# Allegro board FEE5_10_30.brd (continued)
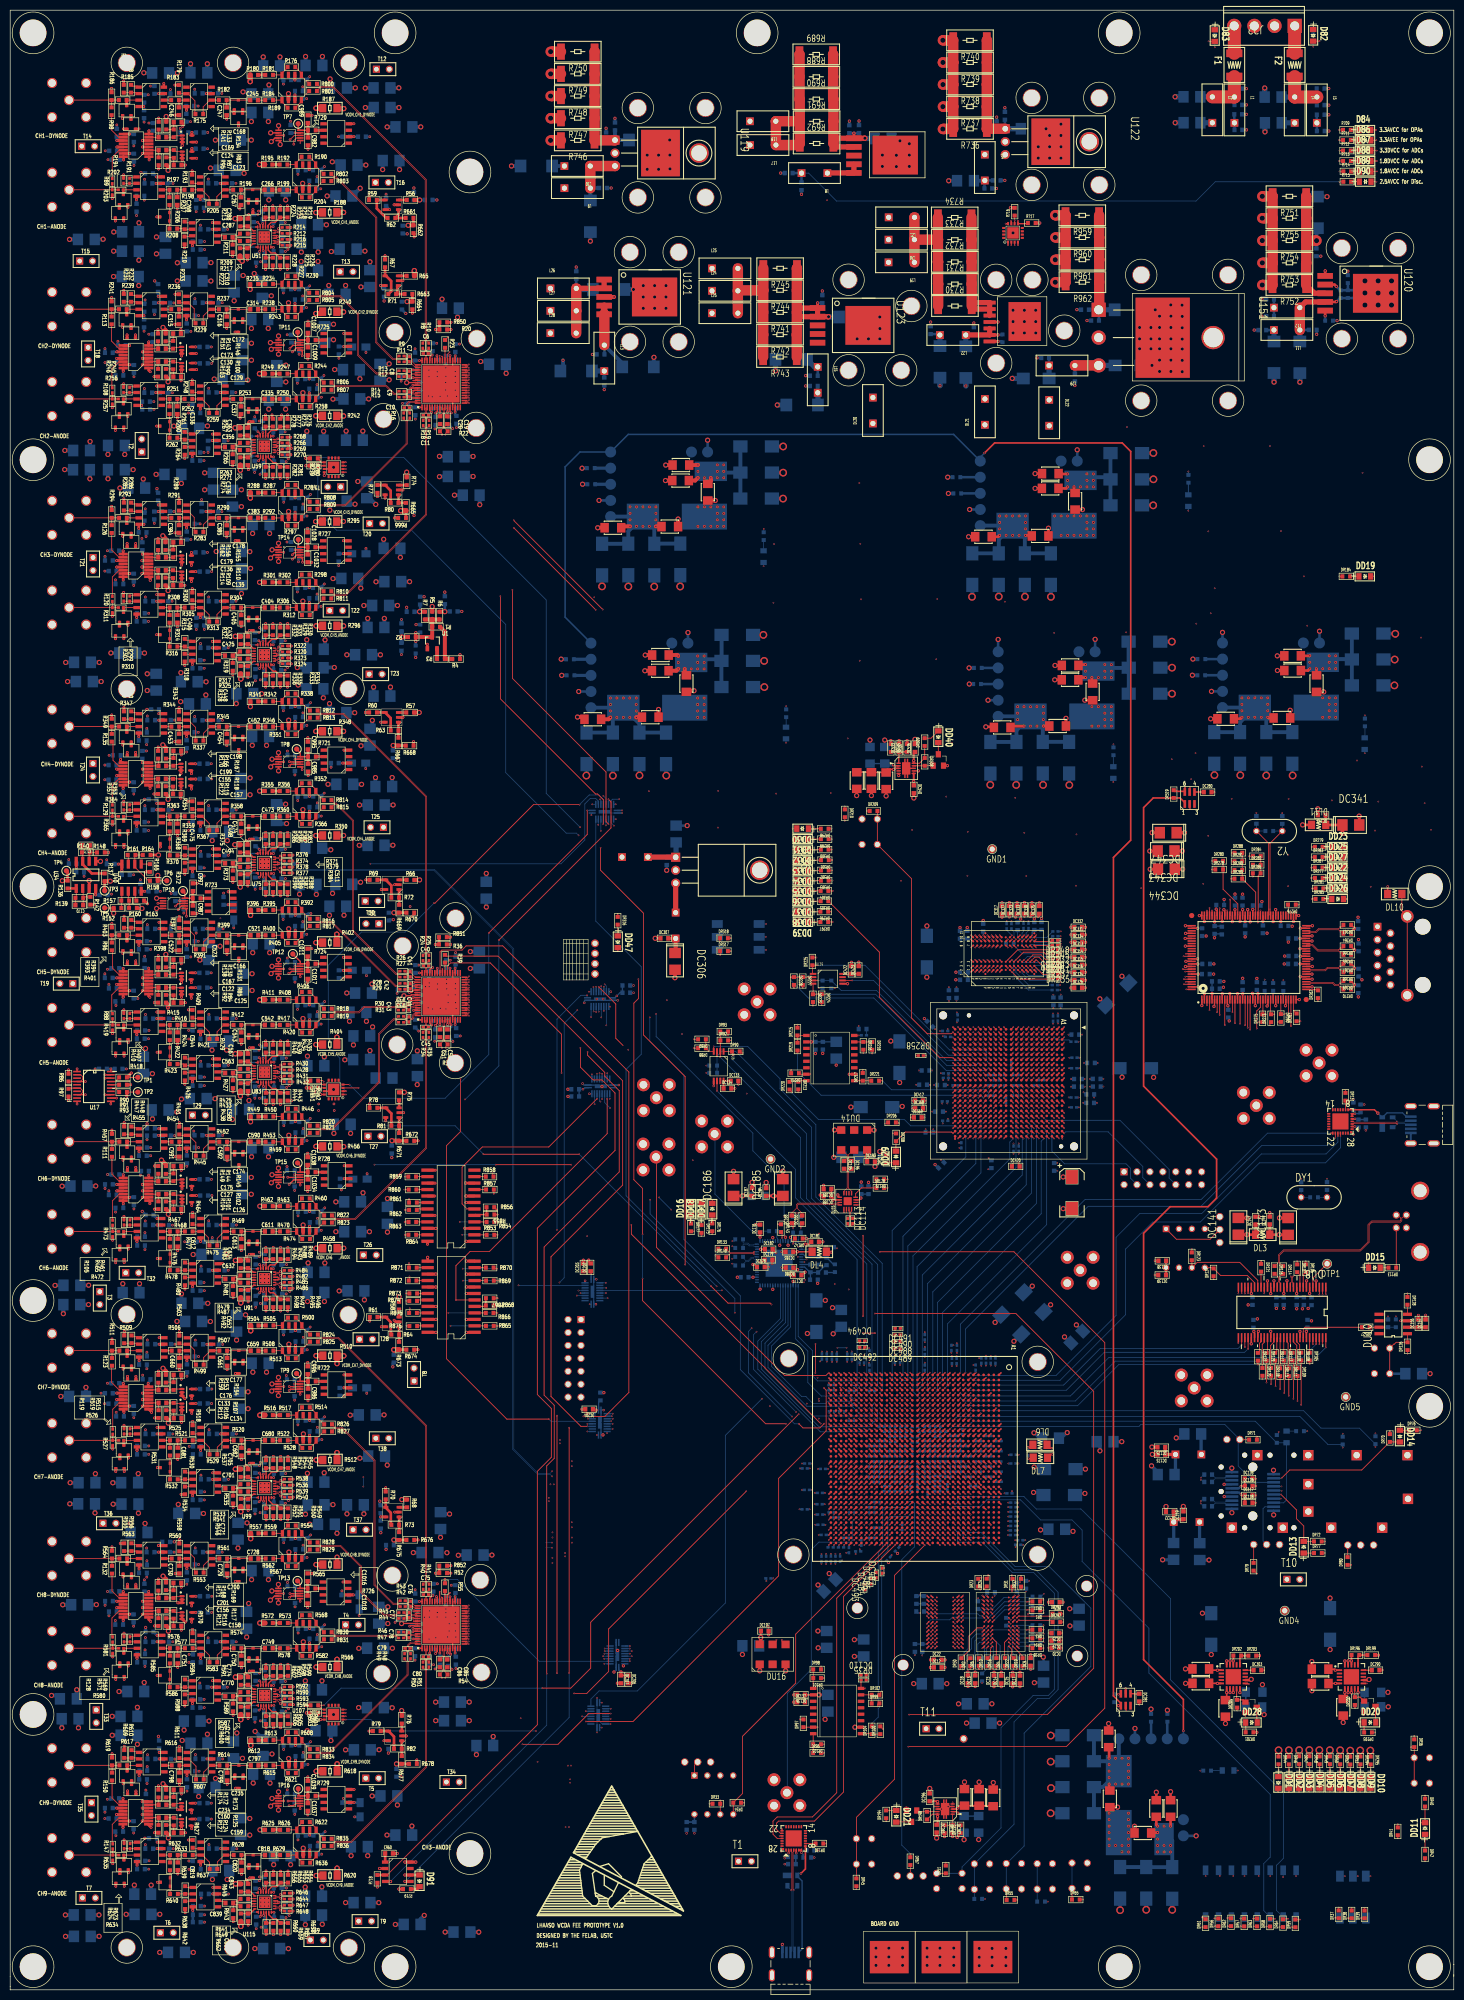
[diagram p0: board, top side]
## Placement (name value [footprint] x y rotation side) (continued)
R484  400  [SR0402]  54.36 141.27 0 top
R485  400  [SR0402]  54.35 138.93 180 top
R486  400  [SR0402]  54.35 137.77 0 top
R487  0  [SR0603]  45.98 138.85 180 top
R488  5k  [SR0603]  53.11 144.26 90 top
R489  1k  [SR0603]  54.55 144.26 270 top
R490  10k  [SR0603]  46.74 140.91 270 bottom
R491  10k  [SR0603]  46.75 137.97 90 bottom
R492  0  [SR0603]  45.3 136.67 270 top
R493  1k  [SR0603]  51.67 144.26 90 top
R494  5k  [SR0603]  50.23 144.25 270 top
R495  5k  [SR0603]  53.11 134.82 270 top
R496  1k  [SR0603]  54.53 134.81 90 top
R497  1k  [SR0603]  51.68 134.82 270 top
R498  5k  [SR0603]  50.25 134.82 90 top
R499  5k  [SR0603]  37.25 122.76 0 top
R500  1.2k  [SR0603]  55.34 131.98 0 top
R501  100  [SR0603]  22.4 127.73 270 top
R502  500  [SR0603]  23.83 127.74 90 top
R503  1k  [SR0603]  33.24 127.7 270 top
R504  0  [SR0603]  48.01 130.45 0 top
R505  560  [SR0603]  50.97 130.45 0 top
R506  400  [SR0603]  32.48 125.5 0 top
R507  400  [SR0603]  41.85 125.5 0 top
R508  560  [SR0603]  50.95 125.5 0 top
R509  500  [SR0603]  22.22 125.51 0 top
R510  0  [SR1206]  62.81 124.52 180 top
R511  50  [SR0603]  20.01 126.28 90 top
R512  0  [SR1206]  62.81 104.03 180 top
R513  1.2k  [SR0603]  55.34 124 0 top
R514  1.6k  [SR0603]  58.09 114.37 0 top
R515  500  [SR0402]  23.54 109.66 90 top
R516  0  [SR0603]  50.83 112.85 0 top
R517  560  [SR0603]  53.79 112.85 0 top
R518  50  [SR0603]  35.84 110.09 270 top
R519  100  [SR0402]  22.36 109.66 270 top
R520  400  [SR0603]  44.66 107.89 0 top
R521  1k  [SR0603]  35.1 107.89 0 top
R522  560  [SR0603]  53.78 107.89 0 top
R523  100  [SR0402]  169.34 93.73 0 bottom
R524  100  [SR0402]  169.31 94.75 0 bottom
R525  400  [SR0603]  32.15 107.89 0 top
R526  500  [SR0402]  21.82 107.89 0 top
R527  50  [SR0402]  20.14 107.39 270 top
R528  1.6k  [SR0603]  58.15 106.4 0 top
R529  5k  [SR0603]  39.93 105.14 0 top
R530  400  [SR0603]  34.36 101 270 top
R531  100  [SR0603]  31.38 105.68 270 top
R532  100  [SR0603]  32.15 100.24 0 top
R533  0  [SR0603]  45.99 99.28 180 top
R534  50  [SR0603]  34.35 98.06 270 top
R535  50  [SR0603]  43.8 96.26 90 top
R536  400  [SR0402]  54.38 99.1 180 top
R537  0  [SR0603]  45.27 101.48 90 top
R538  400  [SR0402]  54.37 100.28 0 top
R539  400  [SR0402]  54.38 97.91 180 top
R540  400  [SR0402]  54.38 96.74 0 top
R541  0  [SR0603]  45.99 97.85 180 top
R542  10k  [SR0603]  46.73 99.88 270 bottom
R543  10k  [SR0603]  46.69 96.95 90 bottom
R544  5k  [SR0603]  53.13 103.23 90 top
R545  1k  [SR0603]  54.56 103.23 270 top
R546  0  [SR0603]  45.3 95.67 270 top
R547  1k  [SR0603]  51.68 103.23 90 top
R548  5k  [SR0603]  50.25 103.23 270 top
R549  5k  [SR0603]  53.12 93.8 270 top
R550  1k  [SR0603]  54.54 93.79 90 top
R551  1k  [SR0603]  51.7 93.8 270 top
R552  5k  [SR0603]  50.26 93.79 90 top
R553  5k  [SR0603]  37.24 81.94 0 top
R554  1.2k  [SR0603]  55.33 91.16 0 top
R555  100  [SR0603]  22.39 86.91 270 top
R556  500  [SR0603]  23.83 86.92 90 top
R557  0  [SR0603]  48 89.63 0 top
R558  1k  [SR0603]  33.23 86.88 270 top
R559  560  [SR0603]  50.96 89.63 0 top
R560  400  [SR0603]  32.48 84.68 0 top
R561  400  [SR0603]  41.85 84.68 0 top
R562  560  [SR0603]  50.94 84.68 0 top
R563  500  [SR0603]  22.21 84.69 0 top
R564  50  [SR0603]  20 85.46 90 top
R565  0  [SR1206]  62.81 83.51 180 top
R566  0  [SR1206]  62.82 63.38 180 top
R567  1.2k  [SR0603]  55.33 83.18 0 top
R568  1.6k  [SR0603]  58.08 73.55 0 top
R569  500  [SR0402]  23.53 68.84 90 top
R570  50  [SR0603]  35.83 69.27 270 top
R571  100  [SR0402]  22.36 68.84 270 top
R572  0  [SR0603]  50.82 72.03 0 top
R573  560  [SR0603]  53.78 72.03 0 top
R574  400  [SR0603]  44.65 67.07 0 top
R575  100  [SR0402]  170.34 95.76 0 bottom
R576  400  [SR0603]  32.14 67.07 0 top
R577  1k  [SR0603]  35.09 67.07 0 top
R578  560  [SR0603]  53.77 67.07 0 top
R579  100  [SR0402]  169.31 88.75 0 bottom
R580  500  [SR0402]  21.81 67.07 0 top
R581  50  [SR0402]  20.13 66.57 270 top
R582  1.6k  [SR0603]  58.14 65.58 0 top
R583  5k  [SR0603]  39.92 64.32 0 top
R584  400  [SR0603]  34.32 60.19 270 top
R585  100  [SR0603]  31.37 64.86 270 top
R586  100  [SR0603]  32.11 59.43 0 top
R587  0  [SR0603]  45.98 58.46 180 top
R588  50  [SR0603]  34.31 57.25 270 top
R589  50  [SR0603]  43.79 55.44 90 top
R590  400  [SR0402]  54.38 58.32 180 top
R591  0  [SR0603]  45.29 60.65 90 top
R592  400  [SR0402]  54.38 59.48 0 top
R593  400  [SR0402]  54.4 57.15 180 top
R594  400  [SR0402]  54.41 55.99 0 top
R595  0  [SR0603]  45.99 57.03 180 top
R596  10k  [SR0603]  46.75 59.08 270 bottom
R597  10k  [SR0603]  46.66 56.13 90 bottom
R598  5k  [SR0603]  53.12 62.41 90 top
R599  1k  [SR0603]  54.56 62.41 270 top
R600  0  [SR0603]  45.29 54.83 270 top
R601  1k  [SR0603]  51.68 62.41 90 top
R602  5k  [SR0603]  50.24 62.41 270 top
R603  5k  [SR0603]  53.12 52.98 270 top
R604  1k  [SR0603]  54.53 52.97 90 top
R605  1k  [SR0603]  51.69 52.98 270 top
R606  5k  [SR0603]  50.26 52.97 90 top
R607  5k  [SR0603]  37.26 41.33 0 top
R608  1.2k  [SR0603]  55.35 50.55 0 top
R609  100  [SR0603]  22.41 46.3 270 top
R610  500  [SR0603]  23.84 46.3 90 top
R611  1k  [SR0603]  33.25 46.26 270 top
R612  0  [SR0603]  48.02 49.02 0 top
R613  560  [SR0603]  50.98 49.02 0 top
R614  400  [SR0603]  41.86 44.06 0 top
R615  560  [SR0603]  50.96 44.06 0 top
R616  400  [SR0603]  32.49 44.07 0 top
R617  500  [SR0603]  22.23 44.08 0 top
R618  0  [SR1206]  62.83 42.92 180 top
R619  50  [SR0603]  20.02 44.84 90 top
R620  0  [SR1206]  62.83 22.44 180 top
R621  1.2k  [SR0603]  55.35 42.57 0 top
R622  1.6k  [SR0603]  58.1 32.94 0 top
R623  500  [SR0402]  23.55 28.22 90 top
R624  100  [SR0402]  22.37 28.23 270 top
R625  0  [SR0603]  50.84 31.42 0 top
R626  560  [SR0603]  53.8 31.42 0 top
R627  50  [SR0603]  35.85 28.66 270 top
R628  400  [SR0603]  44.67 26.46 0 top
R629  560  [SR0603]  53.79 26.46 0 top
R630  100  [SR0402]  170.35 90.74 0 bottom
R631  100  [SR0402]  167.2 87.8 90 bottom
R632  400  [SR0603]  32.16 26.46 0 top
R633  1k  [SR0603]  35.11 26.46 0 top
R634  500  [SR0402]  21.83 26.46 0 top
R635  50  [SR0402]  20.15 25.96 270 top
R636  1.6k  [SR0603]  58.16 24.97 0 top
R637  5k  [SR0603]  39.94 23.71 0 top
R638  400  [SR0603]  34.38 19.59 270 top
R639  100  [SR0603]  31.39 24.24 270 top
R640  100  [SR0603]  32.18 18.83 0 top
R641  0  [SR0603]  46 17.84 180 top
R642  50  [SR0603]  34.37 16.64 270 top
R643  50  [SR0603]  43.82 14.87 90 top
R644  400  [SR0402]  54.37 17.83 180 top
R645  0  [SR0603]  45.32 20.04 90 top
R646  400  [SR0402]  54.38 18.99 0 top
R647  400  [SR0402]  54.36 16.62 180 top
R648  400  [SR0402]  54.36 15.46 0 top
R649  0  [SR0603]  46 16.42 180 top
R650  10k  [SR0603]  46.74 18.26 270 bottom
R651  10k  [SR0603]  46.75 15.32 90 bottom
R652  0  [SR0603]  45.32 14.22 270 top
R653  5k  [SR0603]  53.14 21.8 90 top
R654  1k  [SR0603]  54.57 21.8 270 top
R655  1k  [SR0603]  51.69 21.8 90 top
R656  5k  [SR0603]  50.26 21.8 270 top
R657  5k  [SR0603]  53.13 12.37 270 top
R658  1k  [SR0603]  54.55 12.35 90 top
R659  1k  [SR0603]  51.71 12.37 270 top
R660  5k  [SR0603]  50.27 12.36 90 top
R661  1k  [SR0603]  78.45 347.92 0 top
R662  1k  [SR0603]  79.22 345.72 270 top
R663  1k  [SR0603]  78.24 332.98 0 top
R664  1k  [SR0603]  79.01 330.75 270 top
R665  1k  [SR0603]  77.75 291.22 270 top
R666  1k  [SR0603]  76.98 289.03 180 top
R667  1k  [SR0603]  76.27 245.09 270 top
R668  1k  [SR0603]  78.47 244.32 0 top
R669  1k  [SR0603]  76.42 212.27 270 top
R670  1k  [SR0603]  78.61 211.51 0 top
R671  1k  [SR0603]  76.41 167.48 270 top
R672  1k  [SR0603]  78.6 166.71 0 top
R673  1k  [SR0603]  76.39 126.46 270 top
R674  1k  [SR0603]  78.59 125.7 0 top
R675  1k  [SR0603]  76.41 89.11 270 top
R676  1k  [SR0603]  78.61 88.34 0 top
R677  1k  [SR0603]  76.93 45.14 270 top
R678  1k  [SR0603]  79.12 44.37 0 top
R688  1.37ohm, 1W  [SR2512]  158.36 375.65 180 top
R689  1.37ohm, 1W  [SR2512]  158.34 380.05 180 top
R690  1.37ohm, 1W  [SR2512]  158.36 371.28 180 top
R691  1.37ohm, 1W  [SR2512]  158.41 366.91 180 top
R692  1.37ohm, 1W  [SR2512]  158.41 362.55 180 top
R693  4.3K  [SR0603]  259.07 327.76 0 bottom
R694  2.37K  [SR0603]  262.77 335.91 90 bottom
R695  10k  [SR0603]  262.77 332.97 90 bottom
R696  2.67K->1.0254k  [SR0603]  261.36 332.96 90 bottom
R707  2K  [SR0603]  255.97 383.23 90 bottom
R708  2K  [SR0603]  236.64 383.22 90 bottom
R709  800  [SR0603]  262.59 365.22 0 top
R711  1k  [SR0603]  262.59 363.21 0 top
R712  800  [SR0603]  262.59 361.15 0 top
R713  500  [SR0603]  262.6 359.12 0 top
R714  500  [SR0603]  262.65 357.06 0 top
R715  500  [SR0603]  262.64 355.04 0 top
R716  10k  [SR0603]  197.32 349.15 90 top
R717  10k  [SR0603]  200.67 346.93 0 top
R718  10k  [SR0603]  72.14 21.78 90 top
R719  10k  [SR0603]  77.94 19.78 180 top
R720  0  [SR0603]  59.25 365.14 0 top
R721  0  [SR0603]  59.28 242.15 0 top
R722  0  [SR0603]  59.25 119.47 0 top
R723  0  [SR0603]  36.63 214.34 0 top
R724  0  [SR0603]  59.22 201.47 0 top
R725  0  [SR0603]  59.25 323.95 0 top
R726  0  [SR0603]  59.18 78.82 0 top
R727  0  [SR0603]  59.19 283.27 0 top
R728  0  [SR0603]  59.22 160.55 0 top
R729  0  [SR0603]  59.23 38.09 0 top
R730  1.37ohm, 1W  [SR2512]  185.59 330.64 180 top
R731  1.37ohm, 1W  [SR2512]  185.57 334.96 180 top
R732  1.37ohm, 1W  [SR2512]  185.56 339.31 180 top
R733  1.37ohm, 1W  [SR2512]  185.55 343.66 180 top
R734  1.37ohm, 1W  [SR2512]  185.54 348.03 180 top
R735  100k  [SR0603]  194.93 324.29 90 bottom
R736  1.37ohm, 1W  [SR2512]  188.55 365.42 0 top
R737  1.37ohm, 1W  [SR2512]  188.55 369.79 0 top
R738  1.37ohm, 1W  [SR2512]  188.56 374.14 0 top
R739  1.37ohm, 1W  [SR2512]  188.56 378.46 0 top
R740  1.37ohm, 1W  [SR2512]  188.55 382.81 0 top
R741  1.37ohm, 1W  [SR2512]  151.23 329.38 0 top
R742  1.37ohm, 1W  [SR2512]  151.23 325.01 0 top
R743  1.37ohm, 1W  [SR2512]  151.21 320.63 0 top
R744  1.37ohm, 1W  [SR2512]  151.23 333.72 0 top
R745  1.37ohm, 1W  [SR2512]  151.25 338.05 0 top
R746  1.37ohm, 1W  [SR2512]  111.49 363.16 0 top
R747  1.37ohm, 1W  [SR2512]  111.5 367.51 0 top
R748  1.37ohm, 1W  [SR2512]  111.49 371.87 0 top
R749  1.37ohm, 1W  [SR2512]  111.5 376.22 0 top
R750  1.37ohm, 1W  [SR2512]  111.5 380.59 0 top
R751  1.37ohm, 1W  [SR2512]  251.29 352.18 0 top
R752  1.37ohm, 1W  [SR2512]  251.28 334.77 0 top
R753  1.37ohm, 1W  [SR2512]  251.3 339.11 0 top
R754  1.37ohm, 1W  [SR2512]  251.29 343.48 0 top
R755  1.37ohm, 1W  [SR2512]  251.28 347.87 0 top
R800  0  [SR0603]  59.5 374.27 0 top
R801  0  [SR0603]  59.49 372.86 0 top
R802  0  [SR0603]  62.33 356.59 0 top
R803  0  [SR0603]  62.33 355.19 0 top
R804  0  [SR0603]  59.5 333.23 0 top
R805  0  [SR0603]  59.51 331.82 0 top
R806  0  [SR0603]  62.36 315.6 0 top
R807  0  [SR0603]  62.35 314.19 0 top
R808  0  [SR0603]  59.58 292.21 0 top
R809  0  [SR0603]  59.59 290.79 0 top
R810  0  [SR0603]  62.33 274.63 0 top
R811  0  [SR0603]  62.32 273.21 0 top
R812  0  [SR0603]  59.63 251.21 0 top
R813  0  [SR0603]  59.64 249.8 0 top
R814  0  [SR0603]  62.36 233.62 0 top
R815  0  [SR0603]  62.36 232.21 0 top
R816  0  [SR0603]  59.62 210.32 0 top
R817  0  [SR0603]  59.63 208.91 0 top
R818  0  [SR0603]  62.4 192.65 0 top
R819  0  [SR0603]  62.4 191.24 0 top
R820  0  [SR0603]  59.62 169.69 0 top
R821  0  [SR0603]  59.62 168.28 0 top
R822  0  [SR0603]  62.44 152.06 0 top
R823  0  [SR0603]  62.44 150.66 0 top
R824  0  [SR0603]  59.68 128.67 0 top
R825  0  [SR0603]  59.68 127.27 0 top
R826  0  [SR0603]  62.45 111.05 0 top
R827  0  [SR0603]  62.46 109.64 0 top
R828  0  [SR0603]  59.62 87.85 0 top
R829  0  [SR0603]  59.62 86.45 0 top
R830  0  [SR0603]  62.39 70.22 0 top
R831  0  [SR0603]  62.4 68.82 0 top
R833  0  [SR0603]  59.63 47.26 0 top
R834  0  [SR0603]  59.63 45.84 0 top
R835  0  [SR0603]  62.39 29.66 0 top
R836  0  [SR0603]  62.38 28.26 0 top
R850  0  [SR0603]  85.09 327.44 0 top
R851  10k  [SR0603]  85.01 206.71 0 top
R852  10k  [SR0603]  85.06 83.27 0 top
R853  50  [SR0603]  94.35 148.25 180 top
R854  50  [SR0603]  94.35 150.79 180 top
R855  0  [SR0603]  94.36 152.23 180 top
R856  0  [SR0603]  94.33 153.66 180 top
R857  50  [SR0603]  94.25 157.14 180 top
R858  50  [SR0603]  94.18 159.68 180 top
R859  50  [SR0603]  78.96 159.68 180 top
R860  50  [SR0603]  79.05 157.14 180 top
R861  50  [SR0603]  79.12 154.59 180 top
R862  50  [SR0603]  79.12 153.14 180 top
R863  50  [SR0603]  79.01 150.79 180 top
R864  50  [SR0603]  78.99 148.27 180 top
R865  50  [SR0603]  94.23 130.37 180 top
R866  50  [SR0603]  94.18 132.92 180 top
R867  0  [SR0603]  94.22 135.8 180 top
R868  0  [SR0603]  94.2 134.37 180 top
R869  50  [SR0603]  94.24 139.26 180 top
R870  50  [SR0603]  94.2 141.81 180 top
R871  50  [SR0603]  79.1 141.81 180 top
R872  50  [SR0603]  79.05 139.27 180 top
R873  50  [SR0603]  79.18 136.74 180 top
R874  50  [SR0603]  79.16 135.28 180 top
R875  50  [SR0603]  79.13 132.91 180 top
R876  50  [SR0603]  79.18 130.34 180 top
R959  1.37ohm, 1W  [SR2512]  210.61 348.45 0 top
R960  1.37ohm, 1W  [SR2512]  210.62 344.08 0 top
R961  1.37ohm, 1W  [SR2512]  210.62 339.73 0 top
R962  1.37ohm, 1W  [SR2512]  210.63 335.31 0 top
R1000  10k  [SR0603]  59.68 299.28 180 top
R1001  10k  [SR0603]  59.66 300.71 180 top
R1002  10k  [SR0603]  59.74 178.53 180 top
R1003  10k  [SR0603]  59.74 177.11 180 top
R1004  10k  [SR0603]  59.76 55.87 180 top
R1005  10k  [SR0603]  59.77 54.37 180 top
T1  CON2  [SIP-2P]  144.34 25.24 0 top
T2  CON2  [SIP-2P]  25.84 303.25 90 top
T3  CON2  [SIP-2P]  17.61 135.83 270 top
T4  CON2  [SIP-2P]  67.15 71.66 0 top
T5  CON2  [SIP-2P]  71.11 41.56 0 top
T6  CON2  [SIP-2P]  30.77 11.21 0 top
T7  CON2  [SIP-2P]  15.47 18.05 0 top
T8  CON2  [SIP-2P]  79.33 120.82 90 top
T9  CON2  [SIP-2P]  69.72 13.49 0 top
T10  CON2  [SIP-2P]  252.07 80.59 0 top
T11  CON2  [SIP-2P]  181.19 51.27 0 top
T12  CON2  [SIP-2P]  73.21 377.14 0 top
T13  CON2  [SIP-2P]  66.07 337.37 0 top
T14  CON2  [SIP-2P]  15.31 362.02 0 top
T15  CON2  [SIP-2P]  14.91 339.47 0 top
T16  CON2  [SIP-2P]  73.02 354.9 0 top
T17  CON2  [SIP-2P]  63.65 295.13 180 top
T18  CON2  [SIP-2P]  15.3 321.22 270 top
T19  CON2  [SIP-2P]  11.03 197.58 180 top
T20  CON2  [SIP-2P]  71.87 287.92 0 top
T21  CON2  [SIP-2P]  16.28 279.98 270 top
T22  CON2  [SIP-2P]  64.04 270.84 0 top
T23  CON2  [SIP-2P]  71.79 258.35 0 top
T24  CON2  [SIP-2P]  16.26 239.53 270 top
T25  CON2  [SIP-2P]  72.06 228.28 180 top
T26  CON2  [SIP-2P]  70.64 144.28 0 top
T27  CON2  [SIP-2P]  71.56 167.61 0 top
T28  CON2  [SIP-2P]  69.9 127.74 0 top
T29  CON2  [SIP-2P]  37.07 171.76 0 top
T30  CON2  [SIP-2P]  71.01 213.8 0 top
T31  CON2  [SIP-2P]  71.16 209.33 180 top
T32  CON2  [SIP-2P]  23.96 140.8 0 top
T33  CON2  [SIP-2P]  16.9 53.69 270 top
T34  CON2  [SIP-2P]  86.96 40.8 0 top
T35  CON2  [SIP-2P]  15.96 35.49 270 top
T36  CON2  [SIP-2P]  19.5 91.61 0 top
T37  CON2  [SIP-2P]  68.62 90.34 0 top
T38  CON2  [SIP-2P]  73.1 108.3 0 top
T39  CON2  [SIP-2P]  60.24 9.77 0 top
TP1  Lthd TP  [TP40-SMD]  25.07 179.17 0 top
TP2  Lthd TP  [TP40-SMD]  25.08 176.28 0 top
TP3  Lthd TP  [TP40-SMD]  18.56 215.83 0 top
TP4  Lthd TP  [TP40-SMD]  11.04 219.73 0 top
TP5  Lthd TP  [TP40-SMD]  18.56 212.44 0 top
TP6  Lthd TP  [TP40-SMD]  30.77 217.78 0 top
TP7  Lthd TP  [TP40-SMD]  56.57 366.44 0 top
TP8  Lthd TP  [TP40-SMD]  56.28 243.63 0 top
TP9  Lthd TP  [TP40-SMD]  56.26 121.03 0 top
TP10  Lthd TP  [TP40-SMD]  33.94 215.76 0 top
TP11  Lthd TP  [TP40-SMD]  56.47 325.49 0 top
TP12  Lthd TP  [TP40-SMD]  55.53 203.4 0 top
TP13  Lthd TP  [TP40-SMD]  56.45 80.29 0 top
TP14  Lthd TP  [TP40-SMD]  56.6 284.78 0 top
TP15  Lthd TP  [TP40-SMD]  56.46 162.36 0 top
TP16  Lthd TP  [TP40-SMD]  56.59 39.49 0 top
U1  ADR510  [SOT23-3]  82.9 264.49 0 top
U2  AD9222  [CP-64-3]  80.91 310.73 90 top
U3  AD9222  [CP-64-3]  80.91 190.48 90 top
U4  AD9222  [CP-64-3]  80.91 67.06 90 top
U5  AD8628_RJ5  [RJ-5]  74.86 350.56 90 top
U6  AD8628_RJ5  [RJ-5]  74.86 249.92 90 top
U7  AD8628_RJ5  [RJ-5]  74.97 131.2 90 top
U8  AD8628_RJ5  [RJ-5]  74.85 335.66 90 top
U9  AD8628_RJ5  [RJ-5]  74.97 217.06 90 top
U10  AD8628_RJ5  [RJ-5]  74.99 93.86 90 top
U11  AD8628_RJ5  [RJ-5]  74.86 294.57 90 top
U12  AD8628_RJ5  [RJ-5]  74.98 172.29 90 top
U13  AD8628_RJ5  [RJ-5]  75.5 49.91 90 top
U14  LT6554  [16_LEAD_SSOP]  300.31 27.92 90 top
U15  FSAT66  [SOT65P210X110-5N]  34.74 360.31 0 top
U16  FSAT66  [SOT65P210X110-5N]  34.6 196.12 0 top
U17  74AC244  [SOP20-26-173]  16.06 177.39 270 top
U18  LT6554  [16_LEAD_SSOP]  300.33 192.35 90 top
U19  FSAT66  [SOT65P210X110-5N]  34.7 155.31 0 top
U20  FSAT66  [SOT65P210X110-5N]  34.63 318.79 0 top
U21  FSAT66  [SOT65P210X110-5N]  34.65 114.47 0 top
U22  LT6554  [16_LEAD_SSOP]  300.31 150.85 90 top
U23  LT6554  [16_LEAD_SSOP]  300.32 -12.63 90 top
U24  FSAT66  [SOT65P210X110-5N]  34.64 277.82 0 top
U25  FSAT66  [SOT65P210X110-5N]  34.7 73.47 0 top
U26  LT6554  [16_LEAD_SSOP]  300.32 -53.61 90 top
U27  FSAT66  [SOT65P210X110-5N]  34.51 237.1 0 top
U28  LT6554  [16_LEAD_SSOP]  300.31 109.87 90 top
U29  FSAT66  [SOT65P210X110-5N]  34.6 32.88 0 top
U30  LT6554  [16_LEAD_SSOP]  300.3 68.92 90 top
U31  LT6554  [16_LEAD_SSOP]  300.31 -94.47 90 top
U32  FSAT66  [SOT65P210X110-5N]  34.75 363.48 0 top
U33  FSAT66  [SOT65P210X110-5N]  34.6 199.05 0 top
U34  Tlv2422adi  [SOP8-50-150]  14.88 218.94 0 top
U35  FSAT66  [SOT65P210X110-5N]  34.7 158.48 0 top
U36  LT6554  [16_LEAD_SSOP]  300.28 -135.09 90 top
U37  FSAT66  [SOT65P210X110-5N]  34.63 321.95 0 top
U38  FSAT66  [SOT65P210X110-5N]  34.65 280.98 0 top
U39  FSAT66  [SOT65P210X110-5N]  34.68 117.32 0 top
U40  Tlv2422adi  [SOP8-50-150]  23.84 218.38 0 top
U41  FSAT66  [SOT65P210X110-5N]  34.5 240.09 0 top
U42  FSAT66  [SOT65P210X110-5N]  34.71 76.63 0 top
U43  FSAT66  [SOT65P210X110-5N]  34.61 36 0 top
U44  AD8000  [SOIC8]  27.71 371.71 0 top
U45  AD8057  [SOIC8]  37.1 371.7 0 top
U46  AD8137  [SOIC8]  55.3 373.55 90 top
U47  AD8000  [SOIC8]  27.3 354.09 0 top
U48  AD8057  [SOIC8]  39.8 354.09 0 top
U49  AD8137  [SOIC8]  58.1 355.93 90 top
U50  AD8000  [SOIC8]  38.23 345.07 0 top
U51  LMH7322  [QPF24-50-420]  49.91 344.19 0 top
U52  AD8000  [SOIC8]  27.72 330.64 0 top
U53  AD8057  [SOIC8]  37.11 330.63 0 top
U54  AD8137  [SOIC8]  55.31 332.48 90 top
U55  AD8000  [SOIC8]  27.31 313.02 0 top
U56  AD8137  [SOIC8]  58.11 314.86 90 top
U57  AD8057  [SOIC8]  39.81 313.02 0 top
U58  AD8000  [SOIC8]  38.24 303.6 0 top
U59  LMH7322  [QPF24-50-420]  49.92 303.12 0 top
U60  AD8000  [SOIC8]  27.73 289.67 0 top
U61  AD8057  [SOIC8]  37.12 289.66 0 top
U62  AD8137  [SOIC8]  55.33 291.51 90 top
U63  AD8137  [SOIC8]  58.12 273.89 90 top
U64  AD8000  [SOIC8]  27.32 272.05 0 top
U65  AD8057  [SOIC8]  39.82 272.05 0 top
U66  AD8000  [SOIC8]  38.26 262.88 0 top
U67  LMH7322  [QPF24-50-420]  49.94 262.15 0 top
U68  AD8000  [SOIC8]  27.74 248.69 0 top
U69  AD8057  [SOIC8]  37.13 248.68 0 top
U70  AD8137  [SOIC8]  55.34 250.52 90 top
U71  AD8137  [SOIC8]  58.13 232.91 90 top
U72  AD8000  [SOIC8]  27.33 231.07 0 top
U73  AD8057  [SOIC8]  39.83 231.07 0 top
U74  AD8000  [SOIC8]  38.28 222.12 0 top
U75  LMH7322  [QPF24-50-420]  49.95 221.17 0 top
U76  AD8000  [SOIC8]  27.76 207.72 0 top
U77  AD8057  [SOIC8]  37.15 207.71 0 top
U78  AD8137  [SOIC8]  55.36 209.55 90 top
U79  AD8000  [SOIC8]  27.35 190.1 0 top
U80  AD8057  [SOIC8]  39.85 190.1 0 top
U81  AD8137  [SOIC8]  58.15 191.94 90 top
U82  AD8000  [SOIC8]  38.29 180.88 0 top
U83  LMH7322  [QPF24-50-420]  49.97 180.2 0 top
U84  AD8000  [SOIC8]  27.78 167.17 0 top
U85  AD8057  [SOIC8]  37.17 167.16 0 top
U86  AD8137  [SOIC8]  55.38 169 90 top
U87  AD8000  [SOIC8]  27.38 149.55 0 top
U88  AD8057  [SOIC8]  39.87 149.55 0 top
U89  AD8137  [SOIC8]  58.18 151.39 90 top
U90  AD8000  [SOIC8]  38.31 140.67 0 top
U91  LMH7322  [QPF24-50-420]  49.99 139.65 0 top
U92  AD8000  [SOIC8]  27.8 126.14 0 top
U93  AD8057  [SOIC8]  37.19 126.13 0 top
U94  AD8137  [SOIC8]  55.39 127.98 90 top
U95  AD8000  [SOIC8]  27.39 108.52 0 top
U96  AD8057  [SOIC8]  39.89 108.53 0 top
U97  AD8137  [SOIC8]  58.19 110.36 90 top
U98  AD8000  [SOIC8]  38.32 99.61 0 top
U99  LMH7322  [QPF24-50-420]  50 98.62 0 top
U100  AD8000  [SOIC8]  27.79 85.32 0 top
U101  AD8137  [SOIC8]  55.38 87.16 90 top
U102  AD8057  [SOIC8]  37.18 85.31 0 top
U103  AD8000  [SOIC8]  27.38 67.7 0 top
U104  AD8057  [SOIC8]  39.88 67.71 0 top
U105  AD8137  [SOIC8]  58.18 69.54 90 top
U106  AD8000  [SOIC8]  38.28 58.8 0 top
U107  LMH7322  [QPF24-50-420]  49.99 57.8 0 top
U108  AD8057  [SOIC8]  37.2 44.7 0 top
U109  AD8000  [SOIC8]  27.81 44.71 0 top
U110  AD8137  [SOIC8]  55.4 46.55 90 top
U111  AD8057  [SOIC8]  39.9 27.09 0 top
U112  AD8137  [SOIC8]  58.2 28.93 90 top
U113  AD8000  [SOIC8]  27.4 27.09 0 top
U114  AD8000  [SOIC8]  38.35 18.2 0 top
U115  LMH7322  [QPF24-50-420]  50.01 17.19 0 top
U118  LT1764  [5-LEAD_PLASTIC_DD]  165.74 363.58 270 top
U119  MIC29500-3.3BT  [TO-220-A]  118.81 360.67 270 top
U120  LT1185  [SOT263-5B]  264.41 333.14 270 top
U121  LT1764A-1.8  [SOT263-5B]  122.77 332.41 270 top
U122  MIC29500-3.3BT  [TO-220-A]  195.47 362.9 270 top
U123  LT1764A-1.8  [SOT263-5B]  164.7 326.84 270 top
U125  ADT7320  [LFCSP]  422.44 154.43 90 top
U126  HIH8131  [SOIC8]  76.13 23.18 0 top
U127  -  [AM2303]  305.93 -32.51 90 top
U128  AD5644  [10-LEAD_MSOP]  -219.85 559.6 270 top
U129  AD5644  [10-LEAD_MSOP]  -219.86 436.61 270 top
U130  AD5644  [10-LEAD_MSOP]  -219.88 313.93 270 top
U131  AD5644  [10-LEAD_MSOP]  -242.54 408.8 270 top
U132  ADR4525  [SOIC8]  64.04 364.51 180 top
U133  ADR4525  [SOIC8]  64.1 241.52 180 top
U134  ADR4525  [SOIC8]  41.35 213.7 180 top
U135  ADR4525  [SOIC8]  64.1 118.84 180 top
U136  AD5644  [10-LEAD_MSOP]  -219.85 518.42 270 top
U137  AD5644  [10-LEAD_MSOP]  -219.86 395.94 270 top
U138  AD5644  [10-LEAD_MSOP]  -219.88 273.28 270 top
U139  ADR4525  [SOIC8]  64.07 323.33 180 top
U140  ADR4525  [SOIC8]  63.99 200.84 180 top
U141  ADR4525  [SOIC8]  63.92 78.18 180 top
U142  AD5644  [10-LEAD_MSOP]  -219.86 477.73 270 top
U143  AD5644  [10-LEAD_MSOP]  -219.87 355.02 270 top
U144  AD5644  [10-LEAD_MSOP]  -219.88 232.56 270 top
U145  ADR4525  [SOIC8]  63.98 282.63 180 top
U146  ADR4525  [SOIC8]  64.14 159.9 180 top
U147  ADR4525  [SOIC8]  64.07 37.44 180 top
U148  CDC2351  [DW_SOIC24]  367.65 -60.28 90 top
U149  CDC2351  [DW_SOIC24]  367.69 -78.15 90 top
U150  MIC37501-2.5  [S-PAK7]  -38.15 511.11 270 top
U151  MIC29750-3.3WT  [TO-247WT-2]  213.82 329.9 270 top
U152  ADT7320  [LFCSP]  254.09 524.41 180 top
U153  ADT7320  [LFCSP]  254.09 402.23 180 top
U154  ADT7320  [LFCSP]  254.08 279.49 180 top
Y2  25M  [XTAL2-200A]  247.35 227.54 180 top

## Library data of the parts
C2 C3 C6-C11 C17 C18 C22-C36 = CAP NP: room: ADC1
C4 C5 = c: room: ADC1
C12-C15 C19 C20 = C: room: ADC1
C16 C21 C37-C39 = CAP: room: ADC1
C40-C45 C53 C54 C56-C70 = CAP NP: room: ADC2
C46-C51 = C: room: ADC2
C52 C55 C71-C74 = CAP: room: ADC2
C75-C80 C88 C89 C91-C105 = CAP NP: room: ADC3
C81-C86 = C: room: ADC3
C87 C90 C106-C109 = CAP: room: ADC3
C110-C121 = CAP NP: room: VREF
C122 C124 C127 C130-C133 C136-C156 C160 C167 C169 C173 C175 C176 C179-C197 C199 C201-C213 C215-C219 C225-C234 C236-C244 = CAP NP: room: Cali
C123 C125 C126 C129 C134 C135 C157-C159 C166 C168 C172 C174 C177 C178 C198 C200 C235 = C: room: Cali
C128 C163 C222 = CAP: room: Cali
C161 C162 C164 C165 C170 C171 C220 C221 C223 C224 = CAPACITOR NON-POL: room: Cali
C245-C249 C251-C253 C255 C257 C258 C260 C261 C263 C264 C266-C270 C272 C273 C275 C276 C278 C279 C281 C282 C284 C285 C287-C289 C291-C293 C295 C296 C298 C299 C301 C302 C304 C310 C311 = CAP NP: room: FEA_CH1
C259 C303 = CAP: room: FEA_CH1
C314-C318 C320-C323 C326-C329 C331 C332 C335-C339 C341 C342 C344 C345 C347 C348 C350 C351 C353 C354 C356-C360 C363-C365 C367 C368 C370 C371 C376 C380 = CAP NP: room: FEA_CH2
C319 C324 C325 C330 C333 C334 C340 C343 C346 C349 C352 C355 C361 C362 C366 C369 C372 C375 C379 C382 = CAP: room: FEA_CH2
C383-C391 C395 C396 C398 C399 C401 C402 C404-C408 C410 C411 C413 C414 C416 C417 C419 C420 C422 C423 C425-C427 C429 C430 C432-C434 C436 C437 C439 C440 C445 C448 C449 = CAP NP: room: FEA_CH3
C392-C394 C397 C400 C403 C409 C412 C415 C418 C421 C424 C428 C431 C435 C438 C441 C444 C447 C451 = CAP: room: FEA_CH3
C452-C456 C458 C459 C461 C462 C464 C465 C467-C470 C473-C477 C479 C480 C482 C483 C485 C486 C488 C489 C491 C492 C494-C496 C498-C500 C502 C503 C505 C506 C508 C509 C511 C515 C518 = CAP NP: room: FEA_CH4
C457 C460 C463 C466 C471 C472 C478 C481 C484 C487 C490 C493 C497 C501 C504 C507 C510 C514 C517 C520 = CAP: room: FEA_CH4
C521-C525 C527 C528 C530 C531 C533-C536 C538 C539 C542-C546 C548 C549 C551 C552 C554 C555 C557 C558 C560 C561 C563 C565-C569 C571 C572 C574 C575 C577 C578 C580 C585 C587 = CAP NP: room: FEA_CH5
C526 C529 C532 C537 C540 C541 C547 C550 C553 C556 C559 C562 C564 C570 C573 C576 C579 C583 C589 = CAP: room: FEA_CH5
C590-C594 C596 C597 C599 C600 C602 C603 C605 C606 C608 C609 C611-C614 C616-C618 C620 C621 C623 C624 C626 C627 C629 C630 C632-C635 C637 C638 C640 C641 C643 C644 C646 C647 C652-C654 C656 = CAP NP: room: FEA_CH6
C595 C598 C601 C604 C607 C610 C615 C619 C622 C625 C628 C631 C636 C639 C642 C645 C648 C651 C655 C658 = CAP: room: FEA_CH6
